# Altium PCB open-watch.PcbDoc (continued)
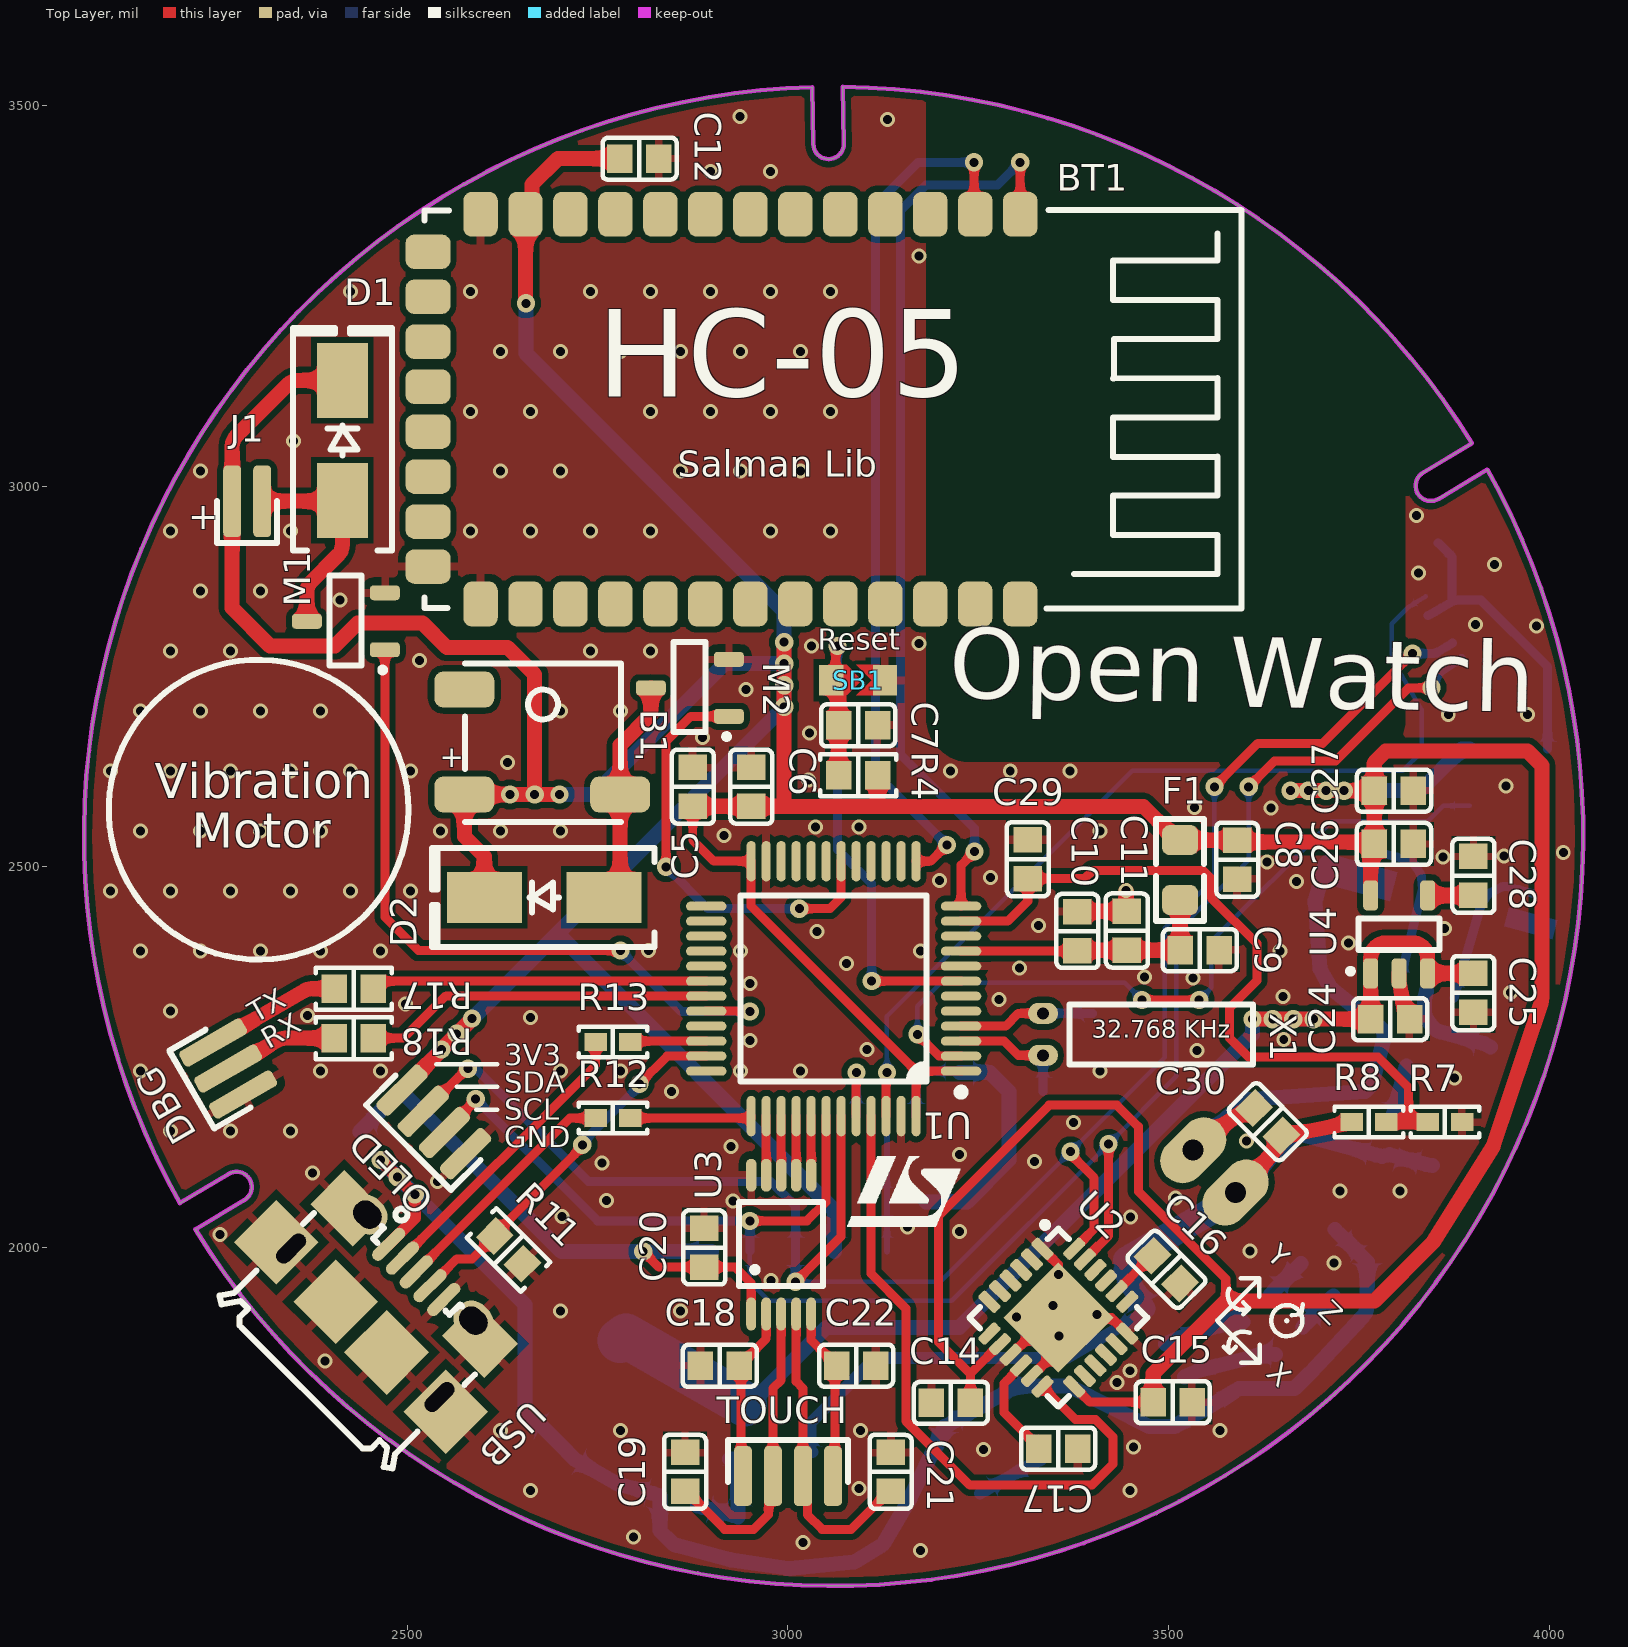
[diagram p0: Top Layer view]
## Components (designator, comment, footprint, x,y, rotation, side; value= is the part's Value field where it differs from the comment) (continued)
BAT "JST BxB-PH-K 2Pin" "JST B2B-PH-K" 3560,2100 r315 bottom (schematic designator BAT1)
BT1 "HC-05" HC-05 2527.44,3356.81 r270 top
C1 "10pF" 0603C 3335,2177.44 r90 bottom
C2 "10pF" 0603C 3424,2293.78 r150 bottom
C3 "100nF" "CAP 0603_1608" 3225,2204.41 r90 bottom
C4 "100nF" "CAP 0603_1608" 3168.27,2147.09 r90 bottom
C5 "100nF" "CAP 0603_1608" 2875,2605 r270 top
C6 "4.7uF" "CAP 0603_1608" 2951.73,2605 r270 top
C7 "100nF" "CAP 0603_1608" 3092.04,2685.89 r180 top
C8 "10uF" "CAP 0603_1608" 3590,2509.41 r90 top
C9 "10uF" "CAP 0603_1608" 3540.59,2390.59 r180 top
C10 "1uF" "CAP 0603_1608" 3380,2415.59 r270 top
C11 "100nF" "CAP 0603_1608" 3445,2416.18 r270 top
C12 "100nF" "CAP 0603_1608" 2805,3430 r180 top
C13 "100nF" "CAP 0603_1608" 2425.3,2174.07 r300 bottom
C14 "10nF" "CAP 0603_1608" 3214,1796 r0 top
C15 "100nF" "CAP 0603_1608" 3505,1797 r180 top
C16 "2.2nF" "CAP 0603_1608" 3496.84,1971.22 r315 top
C17 "100nF" "CAP 0603_1608" 3355,1736 r0 top
C18 "5pF" "CAP 0603_1608" 2910.37,1845 r180 top
C19 "5pF" "CAP 0603_1608" 2865,1705.59 r90 top
C20 "100nF" "CAP 0603_1608" 2890,2000 r270 top
C21 "5pF" "CAP 0603_1608" 3135,1705.59 r90 top
C22 "5pF" "CAP 0603_1608" 3089.63,1845 r0 top
C23 "100nF" "CAP 0603_1608" 3853.05,2132.25 r255 bottom
C24 "1uF" "CAP 0603_1608" 3790.59,2300 r180 top
C25 "100nF" "CAP 0603_1608" 3900,2334.41 r90 top
C26 "1uF" "CAP 0603_1608" 3795.59,2530 r180 top
C27 "100nF" "CAP 0603_1608" 3795.59,2600 r180 top
C28 "10nF" "CAP 0603_1608" 3900,2487.95 r270 top
C29 "100nF" "CAP 0603_1608" 3315,2510 r90 top
C30 "100nF" "CAP 0603_1608" 3630,2165 r315 top
C31 "10uF" "CAP 0603_1608" 3192.2,1787.16 r120 bottom
C32 "10uF" "CAP 0603_1608" 3414.95,1966 r210 bottom
C33 "100nF" "CAP 0603_1608" 3155.59,1995 r0 bottom
C34 "10uF" "CAP 0603_1608" 3876,2938 r210 bottom
CHG "LED SMD 0603 BLUE" LED_0603_RED 3738.43,1958.71 r225 bottom
D1 "USM1" "DO-214AC SMA" 2415,3060 r90 top
D2 "USM1" "DO-214AC SMA" 2680,2460 r180 top
D3 "SS34" "DO-214AC SMA" 2740,1810 r60 bottom
DBG "HDR3" HDR1SE_M_1X3 2265,2235 r300 top (schematic designator DBG1)
F1 "121@100MHz" Ferrite-0805 3515,2495.59 r270 top
J1 "HDR2" HDR1SE_M_1X2 2290,2980 r0 top
J2 "FPC-13pos" FPC-0.3mm-13pos 3837.43,2855.13 r300 bottom
M1 "MOSFET" SOT-23 2455,2785 r90 top
M2 "MOSFET" SOT-23 2906.61,2697.6 r90 top
M3 "IRLML6402 or AO3401" SOT-23 2938.69,1718.05 r75 bottom
OLED "HDR4" HDR1SE_M_1X4 2535,2165 r315 top (schematic designator OLED1)
R1 "4.7K" "RES 0603_1608" 2925,1995 r180 bottom
R2 "4.7K" "RES 0603_1608" 3035.59,1995 r0 bottom
R3 "10K" "RES 0603_1608" 3089.53,2147.09 r270 bottom
R4 "10K" "RES 0603_1608" 3092.23,2620.28 r180 top
R5 "100" "RES 0603_1608" 3786.81,2144.59 r255 bottom
R6 "1K" "RES 0603_1608" 3915.59,2238.44 r75 bottom
R7 "330K" "RES 0402_1005" 3862.64,2165 r180 top
R8 "100K" "RES 0402_1005" 3762.64,2165 r180 top
R9 "1K" "RES 0603_1608" 3657.97,1877.92 r45 bottom
R10 "1K" "RES 0603_1608" 3615.54,1920.35 r45 bottom
R11 "10K" "RES 0603_1608" 2633.1,1996.9 r315 top
R12 "22" "RES 0402_1005" 2770,2170 r0 top
R13 "22" "RES 0402_1005" 2770,2270 r0 top
R14 "10K" "RES 0603_1608" 3265,1655 r120 bottom
R15 "0" "RES 0603_1608" 2856.44,1667.41 r165 bottom
R16 "10K or 1K" "RES 0603_1608" 2959.01,1639.93 r165 bottom
R17 "20" "RES 0603_1608" 2430,2340 r180 top
R18 "20" "RES 0603_1608" 2430,2275 r180 top
R19 "10K" "RES 0603_1608" 3155.59,2060 r180 bottom
SB1 "Solder Bridge" "Solder Bridge" 3102.24,2745 r180 top
STD "LED SMD 0603 GREEN" LED_0603_GREEN 3696.15,2001.44 r225 bottom
TOUCH "HDR4" HDR1SE_M_1X4 3000,1700 r180 top (schematic designator TOUCH1)
U1 "STM32F030C8T6" "LQFP-48 7x7MM P0.5MM" 3060,2340 r180 top
U2 "MPU6050" QFN-24TA 3355,1908 r315 top
U3 "4-channel capacitive touch driver" MSOP-10 3030.47,1912.91 r90 top
U4 "LD3985M33R" SOT23-5L 3765.2,2360 r0 top
U5 "DW01A" SOT-23-6pin 3802.44,2347.02 r345 bottom
U6 "FS8205A" TTSOP-8 3854.09,2395.29 r75 bottom
U7 "TP4056" SOIC-8 3283.09,1808.52 r30 bottom
U8 "RT9742GGJ5" SOT23-5L 3997.36,2655 r270 bottom
USB "Micro USB 2.0 Type B" USB_MICRO_B_BM_SHT 2511.9,1968.1 r135 top
X1 "32.768 KHz" "32.768 - Right" 3335,2280 r0 top

## Footprints (in the part's own frame and the unit in brackets; to place one, negate y for a bottom-side part, rotate by r counter-clockwise, add the part's x,y. Pads: shape width x height; smd on the part's side, far side on the other; paste and mask are expansions set on the pad)
"32.768 - Right" [mm]
  rrect100% 1x0.7 hole 0.4: 1(0,-0.7) 2(0,0.7)
  silkscreen extent 0.87,-1 7,1, body extent -0.14,-1 7,1, height 2.1
0603C [mm] "1608, 160X80, 1.6x0.8mm (1.75x0.95mm)"
  rrect50% 1x0.8 smd mask+0.075: 1(-0.7,0) 2(0.7,0)
  silkscreen extent -1.3,-0.6 1.3,0.6, body extent -0.8,-0.4 0.8,0.4, height 0.9
Buzzer-5050 [mm]
  rrect50% 2x1.2 smd: 1(0,0) 2(5.2,0) 3(0,3.5)
  silkscreen extent 0.03,-0.92 5.23,4.38, body extent 0.03,-0.85 5.23,4.35, height 2
"CAP 0603_1608" [mm] "Chip Capacitor, 2-Leads, Body 1.60x0.80mm, IPC Medium Density"
  rect 0.85x0.95 smd: 1(-0.65,0) 2(0.65,0)
  silkscreen extent -1.24,-0.7 1.23,0.7, body extent -0.8,-0.41 0.8,0.41, height 0.82
"DO-214AC SMA" [mm] "Molded Diode, 2-Leads, Body 4.30x2.60mm, IPC Medium Density"
  rect 2.5x1.7 smd: 1(-2,0) 2(2,0)
  silkscreen extent -3.68,-1.65 3.75,1.65, body extent -2.6,-1.37 2.6,1.37, height 2.4
Ferrite-0805 [mm]
  rrect50% 1x1.2 smd paste-5 mask+0.075: 1(-1,0) 2(1,0)
  Top Layer pour cut-out: -0.5,0.8 0.5,0.8 0.5,-0.8 -0.5,-0.8
  silkscreen extent -1.7,-0.8 1.7,0.8, body extent -1,-0.62 1,0.62, height 0.85
FPC-0.3mm-13pos [mm]
  rrect5% 0.3x0.8 smd: 1(0,0) 2(0.3,2.95) 3(0.6,0) 4(0.9,2.95) 5(1.2,0) 6(1.5,2.95) 7(1.8,0) 8(2.1,2.95) 9(2.4,0) 10(2.7,2.95) 11(3,0) 12(3.3,2.95) 13(3.6,0)
  silkscreen extent -0.9,-0.42 4.5,2.83, body extent -0.9,-0.38 4.5,3.12, height 1
HC-05 [mm]
  rrect50% 1.5x1.15 smd: 1(0,19.75) 2(0,18.25) 3(0,16.75) 4(0,15.25) 5(0,13.75) 6(0,12.25) 7(0,10.75) 8(0,9.25) 9(0,7.75) 10(0,6.25) 11(0,4.75) 12(0,3.25) 13(0,1.75) 22(13,1.75) 23(13,3.25) 24(13,4.75) 25(13,6.25) 26(13,7.75) 27(13,9.25) 28(13,10.75) 29(13,12.25) 30(13,13.75) 31(13,15.25) 32(13,16.75) 33(13,18.25) 34(13,19.75)
  rrect50% 1.15x1.5 smd: 14(1.25,0) 15(2.75,0) 16(4.25,0) 17(5.75,0) 18(7.25,0) 19(8.75,0) 20(10.25,0) 21(11.75,0)
  Top Layer pour cut-out: 18.25,18.05 18.25,31.25 18.148,31.762 17.858,32.196 17.424,32.486 16.912,32.587 16.913,32.587 -3.588,32.587 -4.157,32.474 -4.639,32.152 -4.962,31.669 -5.075,31.1 -5.075,31.1 -5.075,18.075 -4.879,17.344 -4.344,16.808 -3.612,16.613 -3.612,16.613 16.812,16.612 17.363,16.722 17.829,17.034 18.141,17.5 18.25,18.05
  Bottom Layer pour cut-out: 18.25,18.05 18.25,31.25 18.148,31.762 17.858,32.196 17.424,32.486 16.912,32.587 16.913,32.587 -3.588,32.587 -4.157,32.474 -4.639,32.152 -4.962,31.669 -5.075,31.1 -5.075,31.1 -5.075,18.075 -4.879,17.344 -4.344,16.808 -3.612,16.613 -3.612,16.613 16.812,16.612 17.363,16.722 17.829,17.034 18.141,17.5 18.25,18.05
  silkscreen extent -0.15,-0.13 13.15,27.13, body extent 0,0 13,27, height 4.31
HDR1SE_M_1X2 [mm] "HEADER, 1mm, test, SMD"
  rrect50% 0.6x2.4 smd mask+0.1: 1(-0.5,0) 2(0.5,0)
  silkscreen extent -1,-1.4 1,0
HDR1SE_M_1X3 [mm] "HEADER, 1mm, test, SMD"
  rrect50% 0.6x2.4 smd mask+0.1: 1(-1,0) 2(0,0) 3(1,0)
  silkscreen extent -1.5,-1.4 1.5,0
HDR1SE_M_1X4 [mm] "HEADER, 1mm, test, SMD"
  rrect50% 0.6x2 smd mask+0.1: 1(-1.5,0) 2(-0.5,0) 3(0.5,0) 4(1.5,0)
  silkscreen extent -2,-1.2 2,0.2
"JST B2B-PH-K" [mm]
  oval 1.5x2.5 hole 0.7: 1(-1,0) 2(1,0)
LED_0603_GREEN [mm] "LED SMD 0603, GREEN"
  rect 0.8x0.8 smd mask+0.075: 1(-0.8,0)
  rrect50% 0.8x0.8 smd mask+0.075: 2(0.8,0)
  silkscreen extent -1.4,-0.6 1.4,0.6, body extent -0.8,-0.4 0.8,0.4, height 0.5
LED_0603_RED [mm] "LED SMD 0603, RED"
  rect 0.8x0.8 smd mask+0.075: 1(-0.8,0)
  rrect50% 0.8x0.8 smd mask+0.075: 2(0.8,0)
  silkscreen extent -1.4,-0.6 1.4,0.6, body extent -0.8,-0.4 0.8,0.4, height 0.5
"LQFP-48 7x7MM P0.5MM" [mm] "LQFP, 48-Leads, Body 7.00x7.00mm, Pitch 0.50mm, IPC Medium Density"
  oval 1.35x0.3 smd: 1(-4.25,2.75) 2(-4.25,2.25) 3(-4.25,1.75) 4(-4.25,1.25) 5(-4.25,0.75) 6(-4.25,0.25) 7(-4.25,-0.25) 8(-4.25,-0.75) 9(-4.25,-1.25) 10(-4.25,-1.75) 11(-4.25,-2.25) 12(-4.25,-2.75) 25(4.25,-2.75) 26(4.25,-2.25) 27(4.25,-1.75) 28(4.25,-1.25) 29(4.25,-0.75) 30(4.25,-0.25) 31(4.25,0.25) 32(4.25,0.75) 33(4.25,1.25) 34(4.25,1.75) 35(4.25,2.25) 36(4.25,2.75)
  oval 0.3x1.35 smd: 13(-2.75,-4.25) 14(-2.25,-4.25) 15(-1.75,-4.25) 16(-1.25,-4.25) 17(-0.75,-4.25) 18(-0.25,-4.25) 19(0.25,-4.25) 20(0.75,-4.25) 21(1.25,-4.25) 22(1.75,-4.25) 23(2.25,-4.25) 24(2.75,-4.25) 37(2.75,4.25) 38(2.25,4.25) 39(1.75,4.25) 40(1.25,4.25) 41(0.75,4.25) 42(0.25,4.25) 43(-0.25,4.25) 44(-0.75,4.25) 45(-1.25,4.25) 46(-1.75,4.25) 47(-2.25,4.25) 48(-2.75,4.25)
  silkscreen extent -4.38,-3.1 3.1,3.57, body extent -4.51,-4.51 4.51,4.51, height 1.55
MSOP-10 [mm]
  rrect100% 1.1x0.33 smd: 1(0,2) 2(0,1.5) 3(0,1) 4(0,0.5) 5(0,0)
  rrect100% 1.1x0.35 smd: 6(4.625,0) 7(4.625,0.5) 8(4.625,1) 9(4.625,1.5) 10(4.625,2)
  silkscreen extent 0.92,-0.4 3.72,2.4, body extent -0.12,-0.5 4.78,2.5, height 1.25
QFN-24TA [mm] "RTW, RGE S-PQFP-N24 (TI), HVQFN24, 4X4mm, 0.5mm"
  rrect50% 0.8x0.35 smd mask+0.05: 1(-2,1.25) 2(-2,0.75) 3(-2,0.25) 4(-2,-0.25) 5(-2,-0.75) 6(-2,-1.25) 13(2,-1.25) 14(2,-0.75) 15(2,-0.25) 16(2,0.25) 17(2,0.75) 18(2,1.25)
  rrect50% 0.35x0.8 smd mask+0.05: 7(-1.25,-2) 8(-0.75,-2) 9(-0.25,-2) 10(0.25,-2) 11(0.75,-2) 12(1.25,-2) 19(1.25,2) 20(0.75,2) 21(0.25,2) 22(-0.25,2) 23(-0.75,2) 24(-1.25,2)
  rect 2.6x2.6 smd paste-2 mask+0.05: 25(0,0)
  silkscreen extent -2.6,-2.1 2.1,2.1, body extent -2.02,-2.02 2.02,2.02, height 0.88
"RES 0402_1005" [mm] "Chip Resistor, 2-Leads, Body 1.0x0.5mm, IPC Medium Density"
  rect 0.75x0.6 smd: 1(-0.575,0) 2(0.575,0)
  silkscreen extent -1.14,-0.51 1.14,0.51, body extent -0.5,-0.25 0.5,0.25, height 0.35
"RES 0603_1608" [mm] "Chip Resistor, 2-Leads, Body 1.60x0.80mm, IPC Medium Density"
  rect 0.85x0.95 smd: 1(-0.65,0) 2(0.65,0)
  silkscreen extent -1.27,-0.7 1.27,0.7, body extent -0.8,-0.4 0.8,0.4, height 0.45
SOIC-8 [mm]
  rrect50% 1.5x0.6 smd: 1(0,3.81) 2(0,2.54) 3(0,1.27) 4(0,0) 5(5.5,0) 6(5.5,1.27) 7(5.5,2.54) 8(5.5,3.81)
  silkscreen extent 1.07,-0.55 4.45,4.37, body extent -0.23,-0.55 5.77,4.35, height 1.7
"Solder Bridge" [mil]
  rect 32x40 smd: 1(45.28,0) 2(-25.26,0)
  Top Layer region: -17.76,0 -7.76,0 12.24,-20 -17.76,-20
  Top Layer region: -17.76,0 -7.76,0 12.24,20 -17.76,20
  Top Layer region: 35.28,20 25.28,20 5.28,0 25.28,-20 35.28,-20
SOT23-5L [mm]
  rrect50% 0.5x1 smd: 1(0,0) 2(0.95,0) 3(1.9,0) 4(1.9,2.6) 5(0,2.6)
  silkscreen extent -0.75,0 2.3,1.83, body extent -0.52,0.05 2.48,2.55, height 1.08
SOT-23 [mm]
  rrect50% 0.5x1 smd: 1(0,-0.4) 2(1.9,-0.4) 3(0.95,2.2)
  silkscreen extent -0.75,-0.4 2.47,1.45, body extent -0.53,-0.33 2.48,2.17, height 1.08
SOT-23-6pin [mm]
  rrect50% 0.5x1 smd: 1(0,0) 2(0.95,0) 3(1.9,0) 4(1.9,2.6) 5(0.95,2.6) 6(0,2.6)
  silkscreen extent -0.75,0 2.3,1.83, body extent -0.5,-0.11 2.4,2.71, height 1.45
TTSOP-8 [mm]
  rect 0.3x1.65 smd: 1(0.574,-2.775) 2(1.224,-2.775) 3(1.874,-2.775) 4(2.524,-2.775) 5(2.524,2.775) 6(1.874,2.775) 7(1.224,2.775) 8(0.574,2.775)
  silkscreen extent -0.25,-2.9 3.1,1.55, body extent 0.12,-3.14 3.12,3.14, height 1.09
USB_MICRO_B_BM_SHT [mm] "CONN, USB Micro AB - Standard (Bottom mount), Shell SMT"
  oval 0.4x1.4 smd: 1(1.3,0) 2(0.65,0) 3(0,0) 4(-0.65,0) 5(-1.3,0)
  rect 2x1.6 smd: SH1(-3.1,0.1) SH6(3.1,0.1)
  oval 1.4x1.2 hole 0.8 slot 1 at 0 deg mask+0.05: SH1(-2.5,-0.2) SH6(2.5,-0.2)
  rect 2x2 smd: SH2(-4,2.6) SH3(-1.2,2.6) SH4(1.2,2.6) SH5(4,2.6)
  oval 0.8x1.6 hole 0.5 slot 1.2 at 90 deg: SH2(-3.5,2.4) SH5(3.5,2.4)
  silkscreen extent -4.08,-1.2 4.08,5.43, body extent -4.1,-0.45 4.1,4.98, height 2.68

## Part data
BAT: "Connector Header Through Hole 0.079\" (2.00mm)", PartNumber=B2B-PH-K-S(LF)(SN)
C1 C2: library part Cap, "Capacitor"
C3 C4 C5 C6 C7 C8 C9 C10 C11 C12 C13 C14 C15 C16 C17 C18 C19 C20 C21 C22 C23 C24 C25 C26 C27 C28 C29 C30 C31 C32 C33 C34: library part "Cap 0603", "SMT Capacitor"
D1 D2: library part "US1M (SMD SMA)", "Diode Standard 1000V 1A Surface Mount SMA", PartNumber=US1M-13-F
D3: library part "US1M (SMD SMA)", "Diode Standard 1000V 1A Surface Mount SMA", PartNumber=SS34
DBG: library part HDRTST_1X3, "HEADER, 1mm pitch, test, SMD"
F1: library part "Ferrite Bead", "Ferrite Bead"
J1: library part HDRTST_1X2, "HEADER, 1mm pitch, test, SMD"
J2: "FPC 0.3mm pitch 13pos"
M1 M2 M3: library part 2N7002A
  M3: Name="IRLML6402 or AO3401"
OLED TOUCH: library part HDRTST_1X4, "HEADER, 1mm pitch, test, SMD"
R1 R2 R3 R4 R5 R6 R9 R10 R11 R14 R15 R16 R17 R18 R19: library part "Res 0603", "SMT Resistor"
R7 R8 R12 R13: library part "Res 0402", "SMT Resistor"
U1: "ARM Cortex-M0 32-bit MCU, 64 KB Flash, 8 KB Internal RAM, 39 I/Os, 48-pin LQFP, -40 to 85 degC, Tray", I/Os (High Current)=39, Operating Frequency(F) (Processor speed) (MHz)=48, Supplier Part Number 1=497-14043-ND, Supply Voltage(Vcc) min (V)=2.4, ComponentLink1Description="Manufacturer URL", ComponentLink1URL=http://www.st.com/web/en/home.html, ComponentLink2Description=Datasheet, ComponentLink2URL=http://www.st.com/st-web-ui/static/active/en/resource/technical/document/datasheet/DM00088500.pdf, ComponentLink3Description="Package Specification", ComponentLink3URL=http://www.st.com/st-web-ui/static/active/en/resource/technical/document/datasheet/DM00058181.pdf, Core="ARM Cortex-M0", DatasheetVersion="Rev. 1", FLASH Size (Prog) (kB)=64, Internal RAM Size (kB)=8, Mounting Technology="Surface Mount", PackageDescription="48-Pin Low Profile Quad Flat Package, 7 x 7 mm Body, 0.5 mm Pitch", PackageReference=LQFP48, PackageVersion="Rev. 6, 06/2013", Packing=Tray, PartNumber=STM32F030C8T6, Supplier 1=Digi-Key, Supplier 2=Newark, Supplier 3=Mouser, Supplier Part Number 2=06X3647, Supplier Part Number 3=511-STM32F030C8T6
U3: library part BS814A-1
U4: "3.3V LDO Regulatoe"
USB: library part "Micro USB 2.0 Type B Horizonta (SMD) UB-MC5BR3-SD204-4S-1-TB NMP", "USB - micro B  Receptacle Connector 5 Position Surface Mount, Right Angle", PartNumber="UB-MC5BR3-SD204-4S-1-TB NMP"
X1: library part XTAL, Frequency="32.768 KHz"

## Via types
v1: diameter 19.68, hole 11.81, Top Layer to Bottom Layer, tented both sides, 189 vias
v2: diameter 24, hole 11.81, Top Layer to Bottom Layer, tented both sides, 51 vias

## Nets (pads, with @x,y where several pads share a name; then routed paths per layer and width w, separated by ;. In a path a pad name is that pad's centre, name@x,y a point inside that pad or via, vN(x,y) a via of type N, cw(c..) or ccw(c..) an arc to the next point about the centre after c; other vN are vias at no path point)
3.3V: B1.1 BT1.12 C3.2 C4.2 C5.2 C6.2 C8.2 C12.2 C13.2 C14.2 C15.2 C20.2 C26.2 C27.2 D1.2 D2.2 F1.1 J1.1 OLED.1 R1.2 R2.2 R4.1 R19.1 U1.1 U1.24 U1.48 U2.8 U2.13 U3.1 U4.5 U8.5 | length 10009.9
  Top Layer w11.81: v2(2810,1995) 2830.59,1974.41 C20.2 2930.59,1974.41 2951.73,1953.27 U3.1 ; C5.2 2875,2535 2902.68,2507.32 U1.24 2951.73,2448.27 v2(3171.73,2228.27) ; U1.48 3168.27,2224.81 v2(3171.73,2228.27) ; U1.1 3175.19,2231.73 v2(3171.73,2228.27) ; C14.2 3239.59,1834.35 ; U2.8 3239.59,1834.35 ; U2.13 3396.4,1797 C15.2 ; 3575,1930 3575,1958.92 3460,2073.92 3460,2159 3432,2187 3343,2187 3198,2042 3198,1875.94 3239.59,1834.35
  Top Layer w19.68: D1.2 2356.89,3138.74 ccw(c2356.89,3119.06) 2343.01,3133.01 2276.02,3066.02 ccw(c2290,3052.16) 2270.32,3052.22 J1.1 2270.32,2839.68 2320,2790 2405,2790 2435,2820 2520,2820 2552,2788 2632,2788 2667.5,2752.5 v2(2667.5,2595) ; OLED.1 2493.24,2207.5 2545,2259.26 v2(2545,2260) v2@2585,2300 ; D2.2 2601.26,2513.74 2575,2540 B1.1 v2(2635,2595) v2(2667.5,2595) ; v2(2655.97,3239.94) 2655.68,3240.23 2655.68,3356.52 BT1.12 2664.06,3365.48 2664.06,3396.06 2698,3430 C12.2 ; v2(2700,2595) v2(2667.5,2595) ; C5.2 C6.2 2995,2579.41 ; v2(2995,2795) v2(2995,2766.67) v2(2995,2738.33) v2(2995,2710) 2995,2579.41 ; R4.1 3117.83,2579.58 3118,2579.41 ; C15.2 3479.41,1834.41 3575,1930 3770,1930 3847,2007 3925.77,2132.32 3926.52,2134.57 3988.98,2321.94 ccw(c3970.31,2328.19) 3990,2328.19 3990,2633 3971,2652 3784.78,2652 3770,2637.22 C27.2 ; F1.1 3511.06,2534.96 3466.61,2579.41 3118,2579.41 ; F1.1 C8.2 3592.5,2532.5 3767.5,2532.5 C26.2 ; v2(3660,2600) v2(3683.33,2600) v2(3706.67,2600) v2(3730,2600) C27.2 ; U4.5 3765.2,2525.2 C26.2 ; 2995,2579.41 3118,2579.41 ; C26.2 C27.2
  Bottom Layer w11.81: C4.2 3168.27,2224.81 v2(3171.73,2228.27) 3175.19,2231.73 C3.2@3225,2231.73
  Bottom Layer w19.68: C13.2 2438.1,2152.5 2491.55,2205.95 ; v2(2635,2595) v2(2667.5,2595) 2745,2595 2916.67,2766.67 v2(2995,2766.67) ; v2(2655.97,3239.94) 2655.97,3174.03 2995,2835 v2(2995,2795) v2(2995,2766.67) ; R1.2 v2(2810,1995) 2702.5,1995 2491.55,2205.95 ; R2.2 3061.18,2048.82 2700,2410 2700,2415 ; R19.1 3235,2060 3290,2115 3290,2205 3265,2230 C3.2 ; v2(3660,2600) v2(3683.33,2600) v2(3706.67,2600) v2(3730,2600) 3830.16,2600 3885.16,2655 U8.5 ; 2491.55,2205.95 2545,2259.4 v2(2545,2260) 2700,2415 ; 2700,2415 v2(2995,2710) v2(2995,2738.33) v2(2995,2766.67)
  other v2: 2565,2280.74 2585,2300.74
3V3_MAX: C34.2 J2.3 U8.1 | length 390.3
  Bottom Layer w11.81: J2.3@3840.72,2829.75 J2.3 3857.77,2839.59 3872.18,2848.3 ; C34.2 3872.18,2906.86 3872.18,2848.3 ; U8.1 3997.36,2762.64 3910,2850 3878.29,2850 ccw(c3878.29,2838.19) 3872.18,2848.3
CHG_INP: C31.1 CHG.1 D3.1 R15.2 STD.1 U7.4 U7.8 USB.1 | length 2060.5
  Top Layer w15.75: v2(2465,2115) v2(2510,2070) 2510,2038.57 USB.1
  Bottom Layer w19.68: v2(2465,2115) v2(2510,2070) 2655,1925 2655,1787.44 D3.1 2719.04,1722.51 2773.87,1690.86 ccw(c2781.74,1704.5) 2777.64,1689.29 2823.36,1677.04 R15.2 2831.73,1628.27 2847.01,1612.99 ; 2847.03,1612.97 ccw(c2858.14,1624.13) 2854.12,1608.9 2924.15,1590.23 2924.21,1590.21 ccw(c2928.21,1605.44) 2925.92,1589.86 2998.96,1578.91 3000.41,1578.69 3002.86,1578.69 3086.8,1587.08 3090.58,1589.35 3121.54,1607.92 ; 3121.54,1607.93 ccw(c3113.41,1621.41) 3127.02,1613.48 3159.66,1669.42 ccw(c3146.06,1677.35) 3160.2,1670.43 3200.05,1751.92 C31.1 3214.89,1769.52 3264.18,1797.98 U7.4 3292.48,1817.91 3303.63,1817.91 3304.18,1818.45 3363.45,1818.45 3372.25,1816.37 3475,1765 3507.32,1765 3528.48,1777.22 3528.56,1777.26 U7.8 3592.48,1815 3665,1815 3684.79,1834.79 ccw(c3670.86,1848.69) 3685.22,1835.23 3754.74,1909.39 ccw(c3740.41,1922.88) 3760.09,1922.61 ; STD.1 3722.4,2019.33 3756.54,1985.18 CHG.1 3760.7,1972.63 3760.09,1922.65
  other v2: 2487.5,2092.5
CHG_OUT: BAT.2 C23.2 C30.2 C32.1 M3.3 R5.2 R8.2 U7.5 | length 1268
  Top Layer w19.68: BAT.2 3601.76,2086.08 3646.7,2135.77 C30.2 3659.23,2148.3 3735.08,2163.03 R8.2
  Bottom Layer w15.75: M3.3 3029.49,1734.3 3029.49,1769.49 3115,1855 3365.27,1855 3452.28,1905.24 U7.5 U7.5@3468.75,1920.25 ; C32.1@3440.9,1968.48 C32.1 C32.1@3444.58,1983.57
  Bottom Layer w19.68: BAT.2 3663.55,2147.87 3674.29,2147.87 3771.54,2121.81 3771.94,2121.72 R5.2 3789.92,2121.96 3837.69,2109.16 C23.2
  Bottom Layer w27.56: C32.1@3440.9,1968.48 U7.5@3468.75,1920.25
  Bottom Layer w35.43: C32.1@3444.58,1983.57 3573.92,2058.24 BAT.2
GND: BT1.13 BT1.21 BT1.22 C1.1 C2.1 C3.1 C4.1 C5.1 C6.1 C7.1 C8.1 C9.1 C10.1 C11.1 C12.1 C13.1 C14.1 C15.1 C16.2 C17.2 C18.2 C19.2 C20.1 C21.2 C22.2 C23.1 C24.1 C25.1 C26.1 C27.1 C28.1 C29.2 C31.2 C32.2 C33.2 C34.1 DBG.3 J2.13 M1.2 M2.2 OLED.4 R3.2 R6.1 R7.1 R11.2 R14.1 R16.1 SB1.2 U1.8 U1.23 U1.47 U2.1 U2.9 U2.11 U2.18 U2.25 U3.10 U4.2 U6.6 U6.7 U7.1 U7.3 U8.2 USB.5 USB.SH1 USB.SH2 USB.SH3 USB.SH4 USB.SH5 USB.SH6 | length 471.9
  Top Layer w11.81: U2.9 3300.02,1865.55 3316.72,1882.25 U2.25 ; U2.11 3355,1866.24 U2.25 ; U2.1 3355,1977.6 3355,1961.74 U2.25@3355.71,1961.03 ; U2.18 3424.6,1908 U2.25
  Top Layer w19.68: C10.1 3380.3,2441.48 3444.7,2441.48 C11.1 3444,2442.77 v1(3444,2469) ; U4.2 3802.6,2350.16 3809.29,2308.86 C24.1
  other v1: 3173.78,1602.08 3020,1613 2797,1620 2661.97,1680.82 3449.37,1680.82 3093,1684 3257,1735 3454,1738 2622.6,1759.56 2780.08,1759.56 3095.04,1759.56 3567.48,1759.56 3432,1823 3449.37,1838.3 2392,1851 3356,1884 3300,1909 3406,1912 2701.34,1917.04 2858.82,1917.04 3348,1924 2978,1957 3355.29,1964.7 3717,1980 3606.85,1995.78 2254,2017 3225,2021 3157,2027 3450,2040 2703,2041 2928,2061 2762,2062 3509,2065 3724.96,2074.52 3803.7,2074.52 2540,2087 2376,2098 2756,2111 3324,2113 3225,2122 2925,2133 3602,2140 2189.53,2153.26 2268.27,2153.26 2347.01,2153.26 3375,2164 2847,2205 3875,2223 2150.16,2232 2386.38,2232 2465.12,2232 2701.34,2232 2780.08,2232 2937.56,2232 3016.3,2232 3410,2232 3537,2259 3104,2260 2950,2272 3651,2273 2662,2302 2369,2305 2189.53,2310.74 2498,2320 3277,2326 3650,2330 3949,2335 2950,2347 3532,2354 3468,2355 3304,2367 3077,2373 2150.16,2389.48 2228.9,2389.48 2307.64,2389.48 2386.38,2389.48 2465.12,2389.48 2937.56,2389.48 3173.78,2389.48 3646.22,2389.48 2817,2390 3736,2400 3038,2415 3862,2419 3329,2423 2110.79,2468.22 2189.53,2468.22 2268.27,2468.22 2347.01,2468.22 2425.75,2468.22 2504.49,2468.22 3668,2481 3199,2482 3266,2486 3629,2506 3860,2513 3940,2514 4018,2519 2916,2541 2150.16,2546.96 2228.9,2546.96 2307.64,2546.96 2386.38,2546.96 2543.86,2546.96 2622.6,2546.96 2701.34,2546.96 3410,2546.96 3036,2552 3093,2552 3634,2577 3534,2578 3943,2606 3027,2614 2110.79,2625.7 2189.53,2625.7 2268.27,2625.7 2347.01,2625.7 2425.75,2625.7 2504.49,2625.7 3213.15,2625.7 3291.89,2625.7 3370.63,2625.7 2632,2637 2888,2670 3028,2676 3867,2700 3971,2700 2150.16,2704.44 2228.9,2704.44 2307.64,2704.44 2386.38,2704.44 2701.34,2704.44 2780.08,2704.44 2945,2733 2516,2771 2189.53,2783.18 2268.27,2783.18 2740.71,2783.18 2819.45,2783.18 3031,2790 3172,2793 3983,2816 3903,2818 2412,2850 2228.9,2861.92 2307.64,2861.92 3828,2886 3928,2897 2189.53,2940.66 2347.01,2940.66 2583.23,2940.66 2661.97,2940.66 2740.71,2940.66 2819.45,2940.66 2976.93,2940.66 3055.67,2940.66 3825,2961 2228.9,3019.4 2622.6,3019.4 2701.34,3019.4 2858.82,3019.4 2937.56,3019.4 3016.3,3019.4 2351,3059 2583.23,3098.14 2661.97,3098.14 2819.45,3098.14 2898.19,3098.14 2976.93,3098.14 3055.67,3098.14 2622.6,3176.88 2701.34,3176.88 2780.08,3176.88 2858.82,3176.88 2937.56,3176.88 3016.3,3176.88 2425.75,3255.62 2583.23,3255.62 2740.71,3255.62 2819.45,3255.62 2898.19,3255.62 2976.93,3255.62 3055.67,3255.62 3172,3302 2898.19,3413.1 2976.93,3413.1 3131,3481 2937,3485
Key1: C18.1 TOUCH.4 U3.2 | length 230.8
  Top Layer w11.81: TOUCH.4 2938.45,1702.49 2938.45,1842.51 C18.1 2935.96,1846.97 2946.79,1857.8 2948.76,1857.8 2971.42,1880.46 U3.2
Key2: C19.1 TOUCH.3 U3.3 | length 408.6
  Top Layer w11.81: C19.1 2866.97,1680 2916.97,1630 2955,1630 2974.41,1649.41 2974.41,1694.09 TOUCH.3 2980.32,1815.32 2991.1,1826.1 U3.3
Key3: C21.1 TOUCH.2 U3.4 | length 407.8
  Top Layer w11.81: U3.4 3010.79,1824.21 3019.68,1815.32 TOUCH.2 3025.59,1694.09 3025.59,1649.41 3045,1630 3083.03,1630 3133.03,1680 C21.1
Key4: C22.1 TOUCH.1 U3.5 | length 230
  Top Layer w11.81: U3.5 3030.47,1878.57 3051.24,1857.8 3053.21,1857.8 3064.04,1846.97 C22.1 3061.55,1842.51 3061.55,1702.49 TOUCH.1
NetB1_2: B1.2 D2.1 M2.3 | length 300.4
  Top Layer w19.68: D2.1 2779.72,2480.98 B1.2 2779.72,2659.72 2820,2700 M2.3
NetBAT_1: BAT.1 C30.1 U5.6 U6.2 U6.3 | length 691.2
  Top Layer w19.68: BAT.1 3546.08,2141.76 3600.77,2181.7 C30.1
  Bottom Layer w19.68: BAT.1 3546.08,2141.76 3597.25,2189.82 3602.41,2194.65 3757.74,2204.71 3766.71,2213.68 3768.08,2218.78 U5.6 3781.9,2270.39 3782.57,2272.89 3782.57,2283.64 3776.03,2290.18 3714.21,2339.59 3711.43,2342.37 3710.08,2344.86 3700.54,2362.35 3698.49,2366.1 3692.34,2452.23 3692.34,2455.69 3693.1,2458.34 3705,2500
NetBT1_1: BT1.1 U1.12 | length 1212.5
  Top Layer w11.81: U1.12 3227.32,2502.32 v2(3245,2520) ; BT1.1 v2(3305,3425)
  Bottom Layer w11.81: v2(3245,2520) 3245,2550 3148,2647 3148,3362 3181,3395 3275,3395 v2(3305,3425)
NetBT1_2: BT1.2 U1.13 | length 1149.8
  Top Layer w5: BT1.2@3244.35,3358.4 BT1.2
  Top Layer w11.81: U1.13 3187.32,2507.32 v2(3208.71,2528.71) ; BT1.2@3244.35,3358.4 v2(3244.35,3425)
  Bottom Layer w11.81: v2(3208.71,2528.71) 3115,2622.42 3115,3369 3171,3425 v2(3244.35,3425)
NetC1_2: C1.2 U1.3 X1.1 | length 162.8
  Top Layer w11.81: U1.3 3283.9,2271.1 3302.56,2252.44 X1.1
  Bottom Layer w11.81: C1.2 X1.1
NetC2_2: C2.2 U1.4 X1.2 | length 179.8
  Top Layer w11.81: U1.4 3285.79,2290.79 3302.56,2307.56 X1.2
  Bottom Layer w11.81: X1.2 C2.2
NetC16_1: C16.1 U2.20 | length 66.3
  Top Layer w11.81: U2.20 C16.1@3478.41,1989.65
NetC17_1: C17.1 U2.10 | length 137.4
  Top Layer w11.81: U2.10 3306.28,1843.97 3284,1821.69 3284,1783.38 3329.41,1737.97 C17.1
NetC28_2: C28.2 U4.4 | length 60
  Top Layer w19.68: U4.4 C28.2
NetC29_1: C29.1 R7.2 R8.1 U1.11 | length 988.4
  Top Layer w11.81: U1.11 3288.58,2428.58 3315,2455 C29.1 3315.3,2484.7 3389.7,2484.7 3400,2495 3545,2495 3556,2484 3556,2459 3616,2399 3616,2351 3580,2315 3580,2275 3605,2250 3775,2250 3815.1,2209.9 3815.1,2165
  Top Layer w19.68: R8.1 3790.2,2165 3815.1,2165 R7.2
NetC33_1: C33.1 J2.1 R19.2 U1.46 | length 1448.7
  Top Layer w11.81: U1.46 3128.9,2228.9 v2(3130,2230)
  Bottom Layer w6: v2(3130,2230) 3130,2304 3452,2626 3807,2626 3832,2651 3832,2706.47 3793.68,2771.85 cw(c3798,2774.36) 3793,2774.36 3793,2819 3815.24,2841.24 3826.19,2848.1 J2.1
  Bottom Layer w8: C33.1 R19.2 v2(3130,2230)
NetCHG_2: CHG.2 R9.2 | length 56.9
  Bottom Layer w19.68: R9.2 3680.79,1901.04 3712,1932.25 CHG.2
NetD1_1: D1.1 J1.2 M1.3 | length 282.5
  Top Layer w19.68: J1.2 2413.74,2980 D1.1 2415,2923.15 cw(c2395.32,2923.15) 2409.29,2909.29 2371.61,2871.61 ccw(c2388.07,2860.81) 2368.39,2860.81 M1.3
NetDBG_1: DBG.1 R17.2 | length 177.6
  Top Layer w19.68: DBG.1 2278.17,2286.99 2365.43,2337.36 cw(c2375.27,2320.31) 2375.27,2340 2397.52,2340 R17.2
NetDBG_2: DBG.2 R18.2 | length 149.8
  Top Layer w19.68: DBG.2 2297.57,2253.39 2330.43,2272.36 cw(c2340.27,2255.31) 2340.27,2275 2397.52,2275 R18.2
NetM1_1: M1.1 U1.32 | length 938.3
  Top Layer w11.81: M1.1 2470.75,2434.25 2515,2390 v2(2780,2390) ; U1.32 v2@2949.53,2310.47
  Bottom Layer w11.81: v2(2780,2390) 2860,2310 v2(2950,2310)
NetM2_1: M2.1 U1.18 | length 567.1
  Top Layer w11.81: v2(2840,2500) 2840,2665 2872.6,2697.6 M2.1 ; v2(3015,2445) 3055,2445 3069.84,2459.84 U1.18
  Bottom Layer w11.81: v2(2840,2500) 2895,2445 v2(3015,2445)
NetM3_1: M3.1 R15.1 R16.2 | length 139.1
  Bottom Layer w19.68: R15.1 2887.82,1659 2927.63,1648.34 R16.2 2934.29,1711.31 2934.09,1711.51 2934.09,1718.47 2930.44,1722.12 M3.1
NetR3_1: R3.1 U1.44 | length 115
  Top Layer w11.81: U1.44 3089.53,2229.53 v2(3090,2230)
  Bottom Layer w11.81: R3.1 3090,2173.15 v2(3090,2230)
NetR5_1: R5.1 U5.5 | length 71.6
  Bottom Layer w19.68: R5.1 3795.32,2175.94 3809.52,2228.95 U5.5
NetR6_2: R6.2 U5.2 | length 132.2
  Bottom Layer w19.68: U5.2 3836.02,2327.83 3835.74,2310.91 ccw(c3855.42,2310.58) 3839.65,2298.8 ; 3839.67,2298.77 3845.88,2290.49 ccw(c3861.67,2302.25) 3856.52,2283.25 3856.57,2283.24 3914.28,2267.78 R6.2
NetR9_1: R9.1 U7.7 | length 124
  Bottom Layer w19.68: U7.7 3538.65,1838.32 3628.74,1861.22 R9.1
NetR10_1: R10.1 U7.6 | length 106.9
  Bottom Layer w19.68: U7.6 3513.65,1881.62 3586.31,1903.65 R10.1
NetR10_2: R10.2 STD.2 | length 57.3
  Bottom Layer w19.68: R10.2 3638.29,1943.53 3669.73,1974.97 STD.2
NetR11_1: R11.1 U1.35 USB.4 | length 493.4
  Top Layer w11.81: USB.4 2565.31,1985.31 2585.31,1985.31 R11.1 2615,2017.5 2730,2132.5 v2(2730,2135) ; v2(2805,2215) 2841.42,2251.42 U1.35
  Bottom Layer w11.81: v2(2730,2135) 2730,2137.5 2805,2212.5 v2(2805,2215)
NetR12_1: R12.1 USB.3 | length 319.1
  Top Layer w11.81: USB.3 2713.81,2170 R12.1
NetR13_1: R13.1 USB.2 | length 388.8
  Top Layer w11.81: USB.2 2747.36,2239.74 R13.1
NetR14_2: R14.2 U7.2 | length 92.5
  Bottom Layer w15.75: R14.2 3261.68,1682.4 3313.6,1712.38 U7.2
NetR17_1: R17.1 U1.30 | length 441.2
  Top Layer w6: R17.1 R17.1@2465.43,2349.84
  Top Layer w11.81: R17.1@2465.43,2349.84 U1.30
NetR18_1: R18.1 U1.31 | length 459.5
  Top Layer w11.81: R18.1 2492.93,2275 ccw(c2492.93,2280) 2496.45,2276.45 2548.71,2328.71 cw(c2552.23,2325.16) 2552.2,2330.16 ; 2552.23,2330.16 U1.31
NetU1_2: U1.2 U8.4 | length 995
  Top Layer w11.81: v2(3170,2280) 3198.58,2251.42 U1.2 ; v2(3465,2325) v2(3540,2325)
  Bottom Layer w6: v2(3170,2280) 3170,2317 3201,2348 3442,2348 v2(3465,2325) ; v2(3540,2325) 3556,2341 3556,2402 3714,2560 3840,2560 3860.2,2580.2 U8.4
NetU1_38: U1.38 U3.9 | length 77.7
  Top Layer w11.81: U3.9 U1.38
NetU1_39: U1.39 U3.8 | length 77.7
  Top Layer w11.81: U3.8 U1.39
NetU1_40: U1.40 U3.7 | length 77.7
  Top Layer w11.81: U3.7 U1.40
NetU1_41: U1.41 U3.6 | length 77.7
  Top Layer w11.81: U3.6 U1.41
NetU1_45: U1.45 U2.12 | length 893.5
  Top Layer w11.81: U1.45 3109.21,1965.79 3155,1920 3155,1772 3239,1688 3399,1688 3427,1716 3427,1751 3404,1774 3377.64,1774 U2.12
NetU5_1: U5.1 U6.4 | length 214.1
  Bottom Layer w11.81: U6.4 3799.96,2512.69 3815.28,2508.45 ; U5.1 3804.98,2356.52 3833.03,2470.62 3832.07,2485.5 ccw(c3820.29,2484.72) 3830.14,2491.23 3821.99,2503.58 ccw(c3812.13,2497.07) 3815.33,2508.44
NetU5_3: U5.3 U6.5 | length 214.1
  Bottom Layer w11.81: U5.3 3877.24,2337.16 3910,2450 3918.27,2462.4 cw(c3928.09,2455.84) 3922.81,2466.4 3936.04,2473.02 cw(c3941.32,2462.45) 3944.24,2473.9 ; 3944.29,2473.89 3959.68,2469.89 U6.5
NRST: C7.2 R4.2 SB1.1 U1.7 | length 750.6
  Top Layer w11.81: SB1.1@3059.97,2738 3062.67,2740.7 3062.67,2787.67 v2(3065,2790) ; v2(3110,2350) 3110.16,2349.84 U1.7
  Top Layer w19.68: SB1.1@3059.97,2738 3066.45,2731.52 C7.2 3066.55,2685.8 3066.55,2620.37 R4.2
  Bottom Layer w11.81: v2(3065,2790) 3065,2523 3110,2478 v2(3110,2350)
SCL1: J2.9 OLED.3 R1.1 U1.42 U2.23 | length 2418
  Top Layer w11.81: OLED.3 2548.92,2152.5 2590,2193.58 v2(2590,2195) ; v2(2950,2035) 3025,2035 3050.16,2060.16 U1.42 ; U2.23 3421,2015.76 v2(3421,2136) ; v2(3605,2605) 3639,2639 3719,2639 3815,2735 v2(3845,2735)
  Bottom Layer w5: v2(2950,2035) v2@2950.3,2034.7
  Bottom Layer w6: R1.1@2950.3,1995.3 R1.1 2950,1994.41 2950,1955 2975,1930 3215,1930 v2(3421,2136) 3510,2225 3510,2414 3605,2509 v2(3605,2605)
  Bottom Layer w11.81: v2(2590,2195) 2750,2035 v2(2950,2035) ; R1.1@2950.3,1995.3 v2@2950.3,2034.7 ; v2(3845,2735) 3853.51,2752.02 cw(c3864.09,2746.78) 3857.78,2756.76 3876.15,2768.38 J2.9
SDA1: J2.7 OLED.2 R2.1 U1.43 U2.24 | length 2457.9
  Top Layer w11.81: OLED.2 2522.5,2178.92 2578.58,2235 v2(2580,2235) ; v2(3010,1955) 3040,1985 3069.84,2014.84 U1.43 ; v2(3371,2126) 3371,2122.7 3402,2091.7 3402,2024.6 U2.24 ; v2(3560,2605) 3617,2662 3702,2662 v2(3820,2780)
  Bottom Layer w6: v2(3010,1955) 3200,1955 v2(3371,2126) 3495,2250 3495,2420 3560,2485 v2(3560,2605)
  Bottom Layer w11.81: v2(2580,2235) 2582.33,2232.67 2592.33,2232.67 2738,2087 2977,2087 3010,2054 R2.1 v2(3010,1955) ; v2(3820,2780) 3846.65,2780 ccw(c3846.65,2791.81) 3852.85,2781.76 3864.34,2788.84 J2.7
SUP: C24.2 C25.2 D3.2 M3.2 U4.1 U4.3 | length 1570.8
  Top Layer w19.68: v2(3610,2300) v2(3690,2300) C24.2 3765.2,2300.2 U4.1 3765.2,2380.38 cw(c3784.88,2380.32) 3784.82,2400 3820.32,2400 cw(c3820.32,2380.32) 3840,2380.32 U4.3 C25.2
  Bottom Layer w19.68: M3.2 2949.8,1794.38 3050.42,1895 3225,1895 3610,2280 v2(3610,2300) v2(3636.67,2300) v2(3663.33,2300) v2(3690,2300)
  Bottom Layer w59.06: D3.2 2787.35,1884.15 M3.2
SWCLK: R12.2 U1.37 | length 161.8
  Top Layer w11.81: R12.2 2951.73,2170 U1.37
SWDIO: R13.2 U1.34 | length 100.5
  Top Layer w11.81: R13.2 2793.74,2271.1 U1.34
VDDA: C9.2 C10.2 C11.2 F1.2 U1.9 | length 353.9
  Top Layer w11.81: U1.9 3379.21,2389.21 C10.2
  Top Layer w19.68: C10.2 3380.3,2390.3 3444.7,2390.3 C11.2 C9.2 F1.2
pads on no net: B1.3 BT1.3 BT1.4 BT1.5 BT1.6 BT1.7 BT1.8 BT1.9 BT1.10 BT1.11 BT1.14 BT1.15 BT1.16 BT1.17 BT1.18 BT1.19 BT1.20 BT1.23 BT1.24 BT1.25 BT1.26 BT1.27 BT1.28 BT1.29 BT1.30 BT1.31 BT1.32 BT1.33 BT1.34 J2.2 J2.4 J2.5 J2.6 J2.8 J2.10 J2.11 J2.12 U1.5 U1.6 U1.10 U1.14 U1.15 U1.16 U1.17 U1.19 U1.20 U1.21 U1.22 U1.25 U1.26 U1.27 U1.28 U1.29 U1.33 U1.36 U2.2 U2.3 U2.4 U2.5 U2.6 U2.7 U2.14 U2.15 U2.16 U2.17 U2.19 U2.21 U2.22 U5.4 U6.1 U6.8 U8.3

## Polygon pours and split planes (outlines as drawn)
GND on Inner1 "GND_L02_P002" (solid, pour order 2): 2075.75,2540 ccw(c3060,2540) 3060,1555.75 ccw(c3060,2540) 4044.25,2540 ccw(c3060,2540) 3060,3524.25 ccw(c3060,2540)
GND on Inner2 "GND_L03_P003" (solid, pour order 3): 2075.75,2540 ccw(c3060,2540) 3060,1555.75 ccw(c3060,2540) 4044.25,2540 ccw(c3060,2540) 3060,3524.25 ccw(c3060,2540)
GND on Top Layer "GND_L01_P000" (solid, pour order 0): 2075.75,2540 ccw(c3060,2540) 3060,1555.75 ccw(c3060,2540) 4044.25,2540 ccw(c3060,2540) 3060,3524.25 ccw(c3060,2540)
GND on Bottom Layer "GND_L04_P001" (solid, pour order 1): 2075.75,2540 ccw(c3060,2540) 3060,1555.75 ccw(c3060,2540) 4044.25,2540 ccw(c3060,2540) 3060,3524.25 ccw(c3060,2540)

## Keep-outs
Keep-Out Layer:
  lines w5.91: 3898.11,3056.06 ccw(c3060,2540) 3071.99,3524.18 3073.3,3449.59 cw(c3053.3,3449.24) 3053.65,3429.24 cw(c3053.3,3449.24) 3033.3,3448.89 3032,3523.85 ccw(c3060,2540) 2201.68,2058.29 2265.63,2096.72 cw(c2275.93,2079.58) 2293.07,2089.88 cw(c2275.93,2079.58) 2286.23,2062.44 2221.94,2023.81 ccw(c3060,2540) 3918.38,3021.59 3854.44,2983.16 cw(c3844.14,3000.3) 3827,2990 cw(c3844.14,3000.3) 3833.84,3017.44 3898.13,3056.07

## Other copper
Bottom Layer:
  region net NetBAT_1: 3800.22,2493.15 3715.25,2515.91 ccw(c3711.16,2500.67) 3695.91,2504.75 3689.78,2481.85 3790,2455
  region net GND: 3947.4,2446.69 3940.78,2421.97 4003.56,2405.15 4010.18,2429.87
Multi-Layer:
  pour cut-out: 3181,3498 3181,2696 ccw(c3240,2696) 3240,2637 3755,2637 ccw(c3755,2693) 3811,2693 3811,3497 ccw(c3751,3497) 3751,3557 3240,3557 ccw(c3240,3498)
  pour cut-out: 3811,3176 3898,3056 3811,3005
  pour cut-out: 3811,3176 3811,3057 3811,3005

## Silkscreen, mask and mechanical layers (free items; w line width, h text height)
Top Overlay:
  drawing of 23 lines, arcs and shapes, not listed
  text "+" at 2212.55,2931.41 h59.06
  text "Reset" at 3038.88,2775.48 h47.24
  text "Open" at 3210.53,2691.55 h157.48 r359
  text "Watch" at 3579.09,2680.04 h157.48 r359
  text "Vibration" at 2168.46,2575 h78.74
  text "Motor" at 2217.01,2509.8 h78.74
  text "TX" at 2305.74,2285.73 h47.24 r30
  text "RX" at 2322.72,2252.14 h47.24 r30
  text "3V3" at 2627.29,2230.08 h47.24
  text "SDA" at 2627.29,2194.34 h47.24
  text "SCL" at 2627.29,2158.61 h47.24
  text "GND" at 2627.29,2122.88 h47.24
  text "Y" at 3620.72,1981.47 h47.24 r315
  text "Z" at 3687.61,1908.01 h47.24 r315
  text "X" at 3620.09,1826.53 h47.24 r315
Bottom Overlay:
  drawing of 77 lines, arcs and shapes, not listed
  text "Battery" at 3442.76,3296.62 h59.06 r300
  text "-" at 3476.24,2089.69 h78.74 r135
  text "OpenWatch Project" at 2692.74,2063.08 h51.18 r300
  text "http://github.com/SMotlaq/open-watch" at 2636.74,2020.08 h51.18 r300
  text "+" at 3555.05,2004.9 h78.74 r45
Mechanical 15:
  circle w5.91: c3060,2540 r3.94
  lines w5.91: 2146.04,2003.19 3060.07,2539.88 3974.1,3076.57 ; 3052.23,3599.91 3060,2540

## Dimensions
3060.07,2539.88 to 3974.1,3076.57 on Mechanical 13

## Text inside footprints (layer, text, board x,y; h text height)
B1: Top Overlay "-" at 2798.43,2624.3 h47.24; Top Overlay "+" at 2542.52,2621.6 h47.24
BT1: Top Overlay "Salman Lib" at 2855.2,3000.18 h59.06
USB: Mechanical 1 "PCB EDGE" at 2464.58,1770.44 h31.5 r135